# KiCad board SparkFun_GNSS_Flex_Breakout_panelized.kicad_pcb (continued)
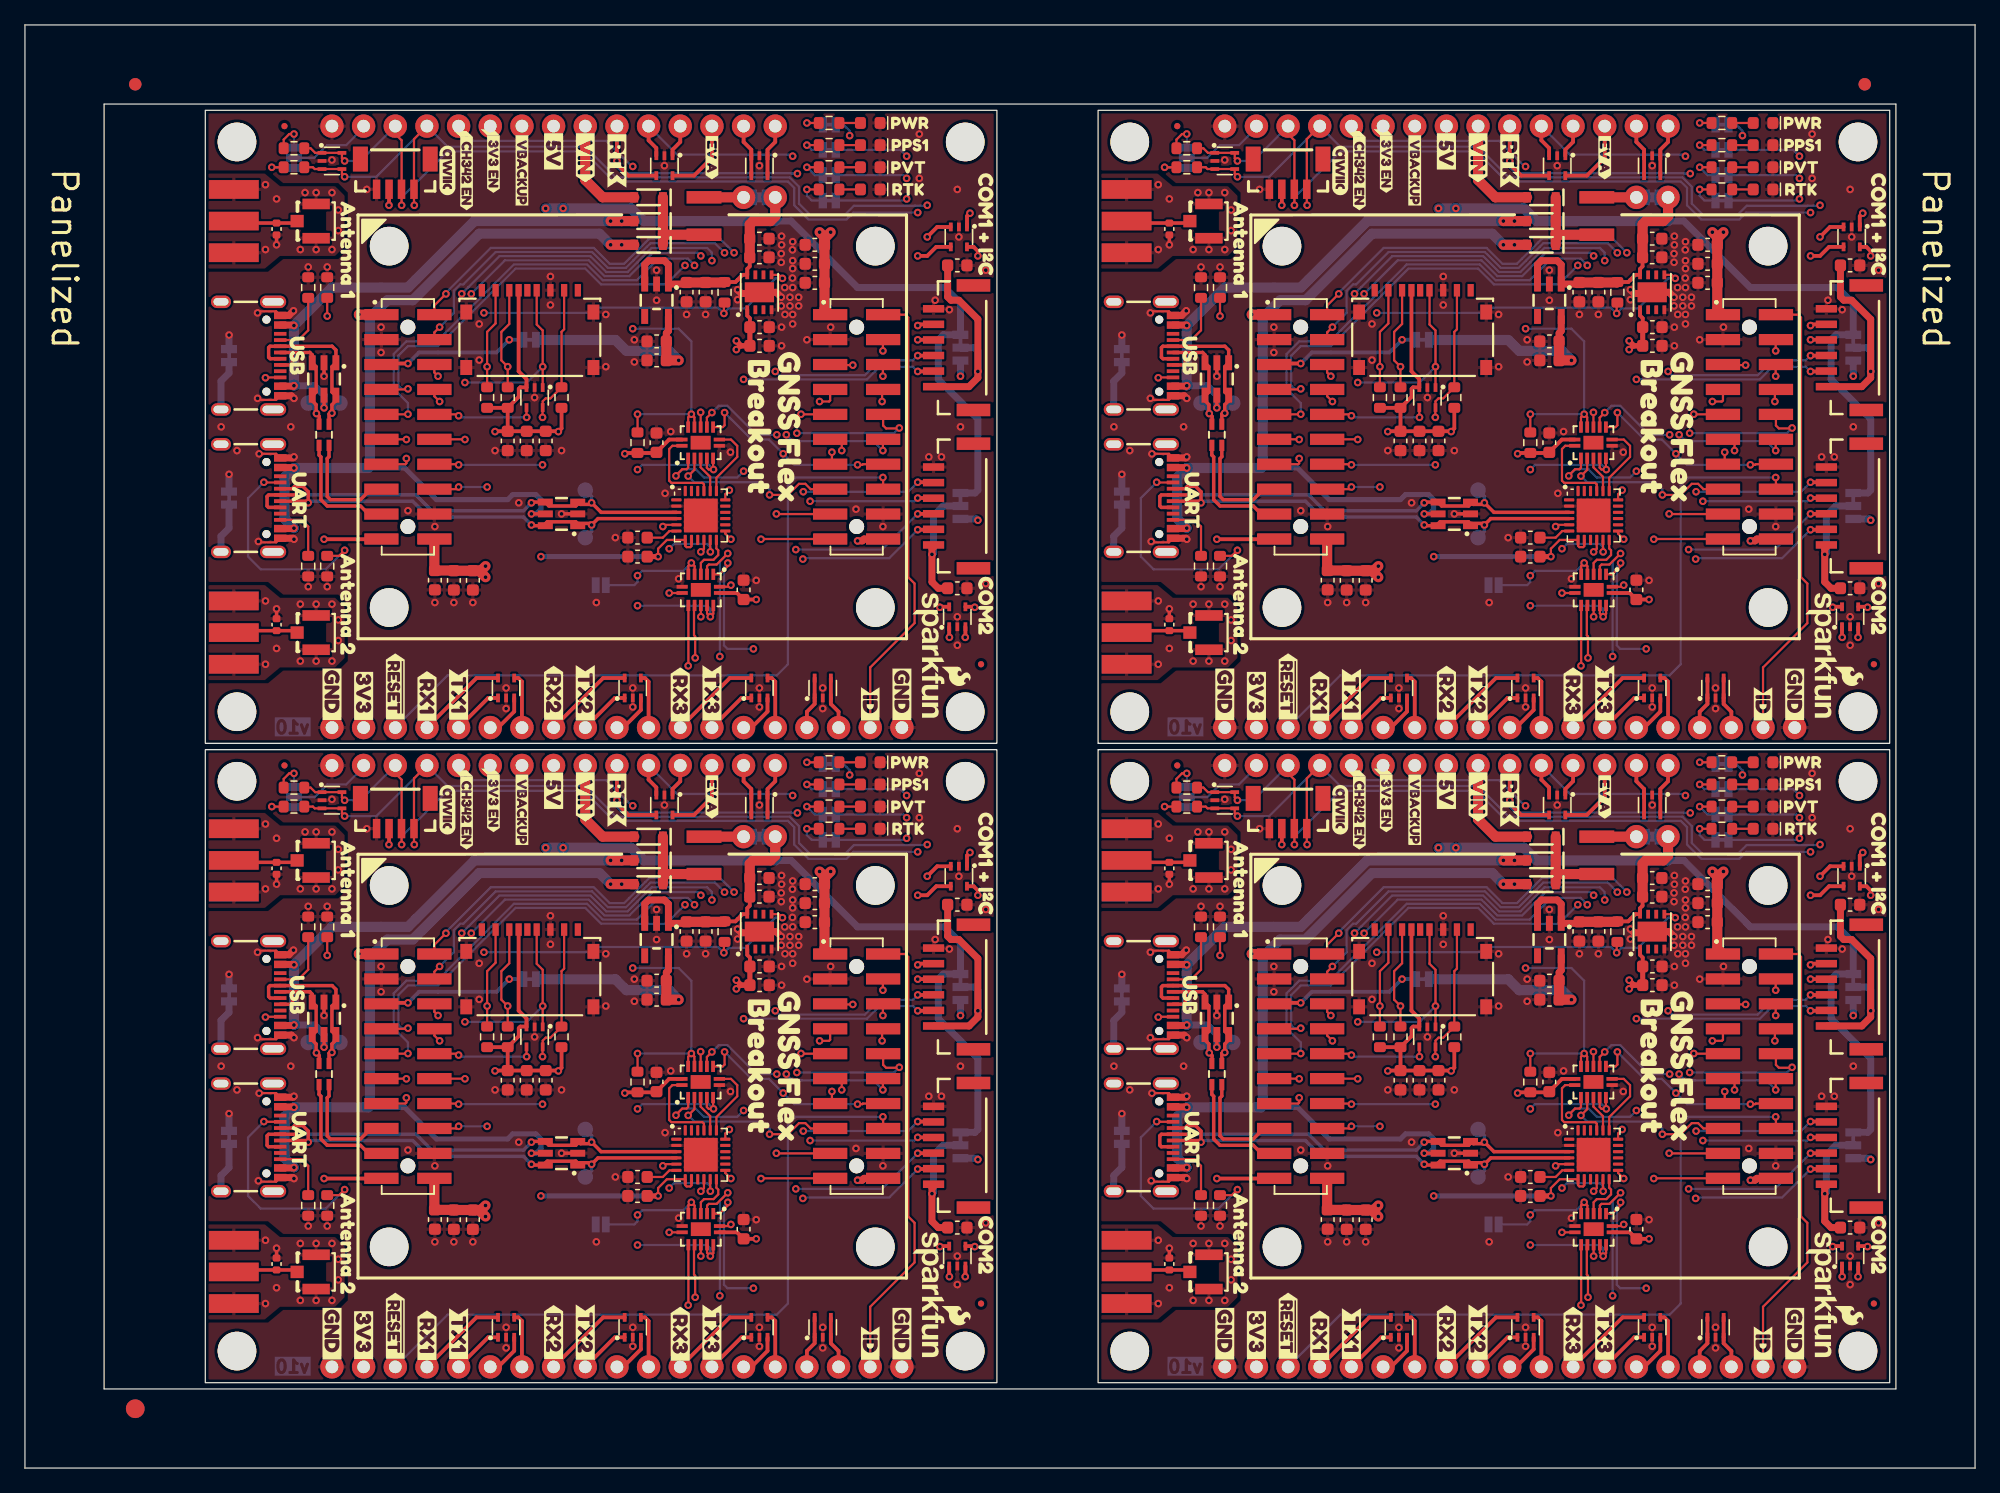
[diagram p0: board, top side]
## Routing (per net, layer and track width the routed paths; a pad name or vN(x,y) marks a point on that pad's centre or on a via; arc(x,y) is an arc through that point) (continued)
  Top w0.305: v1(71.62,88) 72.86,88 ; D13#4.5 107.84,63.39 J4#3.4 ; v1(76.45,97.27) 76.45,97.65 76.1,97.99 D16#2.5 ; v1(148.07,97.27) 148.07,97.65 147.72,97.99 D16.5 ; v1(148.07,45.97) 148.07,46.35 147.72,46.69 D16#3.5 ; v1(143.24,36.7) 144.48,36.7 ; J4#2.4 36.22,63.39 D13#3.5 ; v1(71.62,36.7) 72.86,36.7 ; D13#2.5 107.84,12.09 J4#4.4 ; v1(76.45,45.97) 76.45,46.35 76.1,46.69 D16#4.5 ; v1(143.24,88) 144.48,88 ; D13.5 36.22,12.09 J4.4
  L3.Cu w0.178: v1(57.65,36.06) v1(57.65,28.69) 58.67,28.69 59.05,28.31 v1(59.05,23.23) 59.35,22.93 59.35,16.39 59.04,16.07 40.2,16.07 J4.4 ; J4#3.4 111.82,67.37 130.66,67.37 130.97,67.69 130.97,74.23 v1(130.67,74.53) 130.67,79.61 130.29,79.99 v1(129.27,79.99) v1(129.27,87.36) ; v1(57.65,87.36) v1(57.65,79.99) 58.67,79.99 59.05,79.61 v1(59.05,74.53) 59.35,74.23 59.35,67.69 59.04,67.37 40.2,67.37 J4#2.4 ; v1(129.27,36.06) v1(129.27,28.69) 130.29,28.69 130.67,28.31 v1(130.67,23.23) 130.97,22.93 130.97,16.39 130.66,16.07 111.82,16.07 J4#4.4
  L3.Cu w0.305: v1(76.45,97.27) 76,96.82 76,92.38 v1(71.62,88) ; v1(148.07,97.27) 147.62,96.82 147.62,92.38 v1(143.24,88) ; v1(143.24,36.7) 147.62,41.08 147.62,45.52 v1(148.07,45.97) ; v1(71.62,36.7) 76,41.08 76,45.52 v1(76.45,45.97)
  Bottom w0.178: v1(123.85,79.61) 124.38,80.15 125.43,80.15 126.09,79.49 128.76,79.49 v1(129.27,79.99) ; v1(143.24,36.7) 142.86,37.08 140.19,37.08 139.18,36.06 v1(129.27,36.06) ; v1(57.65,79.99) 57.14,79.49 54.47,79.49 53.81,80.15 52.76,80.15 v1(52.23,79.61) ; v1(71.62,36.7) 71.24,37.08 68.57,37.08 67.56,36.06 v1(57.65,36.06) ; v1(71.62,88) 71.24,88.38 68.57,88.38 67.56,87.36 v1(57.65,87.36) ; v1(129.27,87.36) 139.18,87.36 140.19,88.38 142.86,88.38 v1(143.24,88) ; v1(57.65,28.69) 57.14,28.19 54.47,28.19 53.81,28.85 52.76,28.85 v1(52.23,28.31) ; v1(129.27,28.69) 128.76,28.19 126.09,28.19 125.43,28.85 124.38,28.85 v1(123.85,28.31)
RX2: length 363.4
  Top w0.178: J12#2.12 68.83,82.53 v1(68.83,81.65) ; 72.88,25.27 J5#2.3 ; v1(128.01,21.32) 128.01,21.08 127.34,20.42 U5#3.2 ; 74.15,66.67 v1(74.16,66.66) ; U5#2.2 55.72,20.42 56.39,21.08 v1(56.39,21.32) ; U5.2 127.34,71.72 128.01,72.38 v1(128.01,72.62) ; v1(68.83,30.34) 68.83,31.23 J12.12 ; 144.5,25.27 J5.3 ; v1(140.45,30.34) 140.45,31.23 J12#4.12 ; J12#3.12 140.45,82.53 v1(140.45,81.65) ; 72.88,76.56 J5#3.3 ; U5#4.2 55.72,71.72 56.39,72.38 v1(56.39,72.62) ; 74.15,15.37 v1(74.16,15.36) ; 144.5,76.56 J5#4.3 ; 145.77,15.37 v1(145.78,15.36) ; 145.77,66.67 v1(145.78,66.66)
  Top w0.305: D14#3.1 145.77,66.67 ; D14#4.1 74.15,66.67 ; v1(143.24,76.56) 144.5,76.56 ; D12#4.5 118,63.39 J4#3.8 ; D14.1 145.77,15.37 ; D12#2.5 46.39,12.09 J4.8 ; v1(71.62,76.56) 72.88,76.56 ; D12.5 46.39,63.39 J4#2.8 ; v1(143.24,25.27) 144.5,25.27 ; v1(71.62,25.27) 72.88,25.27 ; D14#2.1 74.15,15.37 ; D12#3.5 118,12.09 J4#4.8
  L3.Cu w0.178: J4#3.8 120.5,65.89 127.82,65.89 127.98,65.73 v1(130.06,65.73) 130.07,65.74 131.15,65.74 133.91,68.5 133.91,72.05 133.46,72.5 v1(133.46,73.7) 133.52,73.7 133.91,74.09 133.91,76.57 133.08,77.39 133.08,79.01 133.43,79.36 133.43,82.19 v1(132.7,82.91) ; v1(61.08,82.91) 61.81,82.19 61.81,79.36 61.46,79.01 61.46,77.39 62.29,76.57 62.29,74.09 61.9,73.7 v1(61.84,73.7) 61.84,72.5 62.29,72.05 62.29,68.5 59.53,65.74 58.45,65.74 v1(58.44,65.73) 56.36,65.73 56.2,65.89 48.88,65.89 J4#2.8 ; v1(132.7,31.62) 133.43,30.89 133.43,28.06 133.08,27.71 133.08,26.09 133.91,25.27 133.91,22.79 133.52,22.4 v1(133.46,22.4) 133.46,21.2 133.91,20.75 133.91,17.2 131.15,14.44 130.07,14.44 v1(130.06,14.43) 127.98,14.43 127.82,14.59 120.5,14.59 J4#4.8 ; J4.8 48.88,14.59 56.2,14.59 56.36,14.43 v1(58.44,14.43) 58.45,14.44 59.53,14.44 62.29,17.2 62.29,20.75 61.84,21.2 v1(61.84,22.4) 61.9,22.4 62.29,22.79 62.29,25.27 61.46,26.09 61.46,27.71 61.81,28.06 61.81,30.89 v1(61.08,31.62)
  L3.Cu w0.305: v1(71.62,25.27) 74.16,22.73 v1(74.16,15.36) ; v1(71.62,76.56) 74.16,74.03 v1(74.16,66.66) ; v1(143.24,25.27) 145.78,22.73 v1(145.78,15.36) ; v1(143.24,76.56) 145.78,74.03 v1(145.78,66.66)
  Bottom w0.178: v1(132.7,82.91) 133.21,82.41 139.68,82.41 v1(140.45,81.65) ; v1(56.39,72.62) 56.08,72.31 56.08,66.01 56.36,65.73 v1(58.44,65.73) ; v1(61.08,82.91) 61.59,82.41 68.06,82.41 v1(68.83,81.65) ; v1(128.01,72.62) 127.7,72.31 127.7,66.01 127.98,65.73 v1(130.06,65.73) ; v1(61.08,31.62) 61.59,31.11 68.06,31.11 v1(68.83,30.34) ; v1(58.44,14.43) 56.36,14.43 56.08,14.71 56.08,21.01 v1(56.39,21.32) ; v1(61.84,73.7) 68.76,73.7 v1(71.62,76.56) ; v1(133.46,22.4) 140.38,22.4 v1(143.24,25.27) ; v1(128.01,21.32) 127.7,21.01 127.7,14.71 127.98,14.43 v1(130.06,14.43) ; v1(143.24,76.56) 140.38,73.7 v1(133.46,73.7) ; v1(140.45,30.34) 139.68,31.11 133.21,31.11 v1(132.7,31.62) ; v1(61.84,22.4) 68.76,22.4 v1(71.62,25.27)
RX3: length 179.9
  Top w0.178: J12#3.8 140.38,86.47 v1(140.38,85.58) ; J12.8 68.76,35.17 v1(68.76,34.28) ; J12#2.8 68.76,86.47 v1(68.76,85.58) ; J12#4.8 140.38,35.17 v1(140.38,34.28)
  Top w0.305: D10#3.5 56.55,12.09 J4.12 ; J4#3.12 128.16,63.39 D10.5 ; J4#4.12 128.16,12.09 D10#4.5 ; J4#2.12 56.55,63.39 D10#2.5
  L3.Cu w0.178: v1(68.76,34.28) 68.76,33.56 68.44,33.24 65.24,33.24 63.13,31.14 63.13,29.14 63.61,28.66 63.61,16.62 59.58,12.59 57.04,12.59 J4.12 ; v1(68.76,85.58) 68.76,84.86 68.44,84.54 65.24,84.54 63.13,82.44 63.13,80.44 63.61,79.96 63.61,67.92 59.58,63.89 57.04,63.89 J4#2.12 ; J4#4.12 128.66,12.59 131.2,12.59 135.23,16.62 135.23,28.66 134.75,29.14 134.75,31.14 136.86,33.24 140.06,33.24 140.38,33.56 v1(140.38,34.28) ; v1(140.38,85.58) 140.38,84.86 140.06,84.54 136.86,84.54 134.75,82.44 134.75,80.44 135.23,79.96 135.23,67.92 131.2,63.89 128.66,63.89 J4#3.12
RX4: length 113.7
  Top w0.178: v1(136.36,81.52) 136.36,80.69 J12#3.13 ; v1(136.36,30.22) 136.36,29.39 J12#4.13 ; J12.13 64.74,29.39 v1(64.74,30.22) ; J12#2.13 64.74,80.69 v1(64.74,81.52)
  Top w0.305: D11#4.5 D11#4.1 63.35,10.01 62.73,9.39 J4.16 ; J4#3.16 134.35,60.69 134.97,61.31 D11#2.1 D11#2.5 ; D11#3.5 D11#3.1 63.35,61.31 62.73,60.69 J4#2.16 ; J4#4.16 134.35,9.39 134.97,10.01 D11.1 D11.5
  L3.Cu w0.178: v1(136.36,81.52) 136.48,81.52 136.56,81.44 136.56,80.24 136.56,67.38 134.35,65.17 J4#3.16 ; v1(136.36,30.22) 136.48,30.22 136.56,30.14 136.56,28.94 136.56,16.08 134.35,13.87 J4#4.16 ; J4#2.16 62.73,65.17 64.94,67.38 64.94,68.2 64.94,80.24 64.94,81.44 64.86,81.52 v1(64.74,81.52) ; J4.16 62.73,13.87 64.94,16.08 64.94,16.9 64.94,28.94 64.94,30.14 64.86,30.22 v1(64.74,30.22)
SCL: length 407.3
  Top w0.178: v1(102.22,81.01) 102.22,80.63 102.14,80.55 J11#3.13 ; v1(102.85,50.03) 102.83,50.05 J14#2.4 102.83,55.34 J3#2.4 ; v1(30.6,29.71) 30.6,29.33 30.52,29.25 J11.13 ; 144.5,39.23 J13#2.4 ; 72.42,47.53 v1(72.38,47.49) ; v1(25.65,103.62) 25.43,103.83 D15#4.4 D15#4.3 23.25,104.24 23.11,104.38 R9#4.1 ; v1(31.23,50.03) 31.21,50.05 J14#4.4 31.21,55.34 J3.4 ; v1(97.27,52.32) 97.05,52.53 D15.4 D15.3 94.87,52.94 94.73,53.08 94.03,53.08 ; v1(102.22,29.71) 102.22,29.33 102.14,29.25 J11#2.13 ; J3#3.4 102.83,106.64 J14.4 102.83,101.35 v1(102.85,101.33) ; 94.03,104.38 94.73,104.38 94.87,104.24 D15#3.3 D15#3.4 97.05,103.83 v1(97.27,103.62) ; J11#4.13 30.52,80.55 30.6,80.63 v1(30.6,81.01) ; 144.5,90.53 J13#4.4 ; 144.04,98.83 v1(144,98.79) ; R9.1 23.11,53.08 23.25,52.94 D15#2.3 D15#2.4 25.43,52.53 v1(25.65,52.32) ; 144.04,47.53 v1(144,47.49) ; 72.88,90.53 J13.4 ; 72.42,98.83 v1(72.38,98.79) ; v1(31.23,101.33) 31.21,101.35 J14#3.4 31.21,106.64 J3#4.4 ; 72.88,39.23 J13#3.4
  Top w0.305: D16#2.3 73.18,99.59 v1(72.38,98.79) ; D16#3.3 144.8,48.29 v1(144,47.49) ; v1(72.38,47.49) 73.18,48.29 D16#4.3 ; v1(143.24,90.53) 144.5,90.53 ; v1(71.62,39.23) 72.88,39.23 ; v1(71.62,90.53) 72.88,90.53 ; v1(144,98.79) 144.8,99.59 D16.3 ; v1(143.24,39.23) 144.5,39.23
  L3.Cu w0.178: v1(72.38,101.33) v1(72.38,98.79) ; v1(102.22,29.71) 104.2,31.69 104.2,47.87 104.2,48.68 v1(102.85,50.03) ; v1(31.23,50.03) 32.58,48.68 32.58,47.87 32.58,31.69 v1(30.6,29.71) ; v1(144,101.33) v1(144,98.79) ; v1(102.22,81.01) 104.2,82.99 104.2,99.17 104.2,99.98 v1(102.85,101.33) ; v1(31.23,101.33) 32.58,99.98 32.58,99.17 32.58,82.99 v1(30.6,81.01) ; v1(72.38,50.03) v1(72.38,47.49) ; v1(144,50.03) v1(144,47.49)
  L3.Cu w0.305: v1(71.62,90.53) 72.38,91.3 v1(72.38,98.79) ; v1(144,98.79) 144,91.3 v1(143.24,90.53) ; v1(143.24,39.23) 144,40 v1(144,47.49) ; v1(72.38,47.49) 72.38,40 v1(71.62,39.23)
  Bottom w0.178: v1(97.27,103.62) 99.81,103.62 J3#3.4 105.52,106.03 116.57,106.03 119.03,103.57 132.96,103.57 133.72,102.81 133.72,101.46 134.6,100.57 137.4,100.57 138.12,101.29 143.01,101.29 143.01,101.29 143.47,101.29 143.47,101.29 143.96,101.29 v1(144,101.33) ; v1(97.27,52.32) 99.81,52.32 J3#2.4 105.52,54.73 116.57,54.73 119.03,52.27 132.96,52.27 133.72,51.51 133.72,50.16 134.6,49.27 137.4,49.27 138.12,49.99 143.01,49.99 143.01,49.99 143.47,49.99 143.47,49.99 143.96,49.99 v1(144,50.03) ; v1(25.65,52.32) 28.19,52.32 J3.4 33.9,54.73 44.95,54.73 47.41,52.27 61.34,52.27 62.09,51.51 62.09,50.16 62.98,49.27 65.78,49.27 66.5,49.99 71.39,49.99 71.39,49.99 71.85,49.99 71.85,49.99 72.34,49.99 v1(72.38,50.03) ; v1(25.65,103.62) 28.19,103.62 J3#4.4 33.9,106.03 44.95,106.03 47.41,103.57 61.34,103.57 62.09,102.81 62.09,101.46 62.98,100.57 65.78,100.57 66.5,101.29 71.39,101.29 71.39,101.29 71.85,101.29 71.85,101.29 72.34,101.29 v1(72.38,101.33)
SD_CLK: length 87.3
  Top w0.178: J11#4.12 35.28,82.55 v1(35.3,82.53) ; D1#3.1 v1(41.54,88.38) 41.54,91.28 41.06,91.76 J1.5 ; D1.1 v1(41.54,37.08) 41.54,39.98 41.06,40.46 J1#4.5 ; J1#3.5 112.68,91.76 113.16,91.28 v1(113.16,88.38) D1#2.1 ; J11#2.12 106.9,31.25 v1(106.92,31.23) ; J1#2.5 112.68,40.46 113.16,39.98 v1(113.16,37.08) D1#4.1 ; J11.12 35.28,31.25 v1(35.3,31.23) ; v1(106.92,82.53) 106.9,82.55 J11#3.12
  L3.Cu w0.178: v1(35.3,82.53) 35.34,82.57 35.34,87.07 v1(35.3,87.11) ; v1(106.92,31.23) 106.96,31.27 106.96,35.77 v1(106.92,35.81) ; v1(35.3,31.23) 35.34,31.27 35.34,35.77 v1(35.3,35.81) ; v1(106.92,82.53) 106.96,82.57 106.96,87.07 v1(106.92,87.11)
  Bottom w0.178: v1(113.16,88.38) 111.89,87.11 v1(106.92,87.11) ; v1(41.54,88.38) 40.27,87.11 v1(35.3,87.11) ; v1(35.3,35.81) 40.27,35.81 v1(41.54,37.08) ; v1(113.16,37.08) 111.89,35.81 v1(106.92,35.81)
SD_CMD: length 85
  Top w0.178: D1.4 40.24,33.03 v1(40.25,33.01) ; J11.10 34.68,33.25 v1(34.79,33.14) ; J11#4.10 34.68,84.55 v1(34.79,84.44) ; v1(111.87,33.01) 111.86,33.03 D1#4.4 ; J11#2.10 106.3,33.25 v1(106.41,33.14) ; 38.86,94.51 38.86,91.81 38.22,91.17 38.22,88.88 v1(38.73,88.38) R2.1 ; D1#3.4 40.24,84.33 v1(40.25,84.31) ; R2#2.1 v1(110.35,37.08) 109.84,37.58 109.84,39.87 110.47,40.51 J1#2.3 ; v1(111.87,84.31) 111.86,84.33 D1#2.4 ; R2#4.1 v1(110.35,88.38) 109.84,88.88 109.84,91.17 110.47,91.81 J1#3.3 ; R2#3.1 v1(38.73,37.08) 38.22,37.58 38.22,39.87 38.86,40.51 38.86,43.21 ; v1(106.41,84.44) 106.3,84.55 J11#3.10
  L3.Cu w0.178: v1(40.25,33.01) 38.73,34.54 v1(38.73,37.08) ; v1(111.87,84.31) 110.35,85.84 v1(110.35,88.38) ; v1(110.35,37.08) 110.35,34.54 v1(111.87,33.01) ; v1(40.25,84.31) 38.73,85.84 v1(38.73,88.38)
  Bottom w0.178: v1(34.79,33.14) 34.92,33.01 v1(40.25,33.01) ; v1(106.41,84.44) 106.54,84.31 v1(111.87,84.31) ; v1(34.79,84.44) 34.92,84.31 v1(40.25,84.31) ; v1(111.87,33.01) 106.54,33.01 v1(106.41,33.14)
SD_DAT0: length 94.6
  Top w0.178: J11#2.14 106.36,29.25 v1(106.41,29.2) ; J11#3.14 106.36,80.55 v1(106.41,80.5) ; v1(41.52,33.01) 41.52,33.78 D1.5 41.54,34.3 41.78,34.54 42.16,34.54 R1#3.1 43.05,39.87 43.25,40.08 J1#4.7 ; v1(34.79,29.2) 34.74,29.25 J11.14 ; v1(41.52,84.31) 41.52,85.09 D1#3.5 41.54,85.6 41.78,85.84 42.16,85.84 R1#2.1 43.05,91.17 43.25,91.38 J1.7 ; J1#2.7 114.88,40.08 114.66,39.87 R1#4.1 113.78,34.54 113.4,34.54 113.16,34.3 D1#4.5 113.14,33.78 v1(113.14,33.01) ; J1#3.7 114.88,91.38 114.66,91.17 R1.1 113.78,85.84 113.4,85.84 113.16,85.6 D1#2.5 113.14,85.09 v1(113.14,84.31) ; v1(34.79,80.5) 34.74,80.55 J11#4.14
  L3.Cu w0.178: v1(113.14,80.5) v1(113.14,84.31) ; v1(41.52,29.2) v1(41.52,33.01) ; v1(113.14,29.2) v1(113.14,33.01) ; v1(41.52,80.5) v1(41.52,84.31)
  Bottom w0.178: v1(106.41,80.5) v1(113.14,80.5) ; v1(34.79,80.5) v1(41.52,80.5) ; v1(106.41,29.2) v1(113.14,29.2) ; v1(34.79,29.2) v1(41.52,29.2)
SD_DAT3: length 89.1
  Top w0.178: J1#2.2 109.38,40.55 108.7,39.87 v1(108.7,37.08) R4#4.1 ; v1(106.41,27.42) 106.24,27.25 J11#2.16 ; v1(34.79,78.72) 34.62,78.55 J11#4.16 ; v1(34.79,27.42) 34.62,27.25 J11.16 ; J1#4.2 37.75,40.55 37.08,39.87 v1(37.08,37.08) R4.1 ; R4#3.1 v1(108.7,88.38) 108.7,91.17 109.38,91.85 J1#3.2 ; J11#3.16 106.24,78.55 v1(106.41,78.72) ; J1.2 37.75,91.85 37.08,91.17 v1(37.08,88.38) R4#2.1
  L3.Cu w0.178: v1(108.7,27.42) v1(108.7,37.08) ; v1(37.08,78.72) v1(37.08,88.38) ; v1(37.08,27.42) v1(37.08,37.08) ; v1(108.7,78.72) v1(108.7,88.38)
  Bottom w0.178: v1(34.79,27.42) 37.2,27.42 v1(37.08,27.42) ; v1(108.7,27.42) 108.82,27.42 v1(106.41,27.42) ; v1(37.08,78.72) 37.2,78.72 v1(34.79,78.72) ; v1(106.41,78.72) 108.82,78.72 v1(108.7,78.72)
SDA: length 393.2
  Top w0.178: J3#4.3 29.71,107.05 30.22,106.54 30.22,102.62 J14#3.3 30.22,102.61 v1(30.22,101.33) ; v1(30.22,50.03) 30.22,51.31 J14#4.3 30.22,51.32 30.22,55.24 29.71,55.75 J3.3 ; v1(101.84,50.03) 101.84,51.31 J14#2.3 101.84,51.32 101.84,55.24 101.33,55.75 J3#2.3 ; R8#3.2 22.92,54.6 23.28,54.24 D15#2.1 D15#2.5 25.43,53.8 v1(25.65,53.59) ; J11#2.11 102.2,31.25 v1(102.22,31.23) ; v1(97.27,104.89) 97.05,105.1 D15#3.5 D15#3.1 94.9,105.54 94.54,105.9 94.03,105.9 ; J11#3.11 102.2,82.55 v1(102.22,82.53) ; v1(30.6,82.53) 30.58,82.55 J11#4.11 ; v1(25.65,104.89) 25.43,105.1 D15#4.5 D15#4.1 23.28,105.54 22.92,105.9 R8#4.2 ; 143.28,97.23 v1(143.24,97.27) ; 143.28,45.93 v1(143.24,45.97) ; J3#3.3 101.33,107.05 101.84,106.54 101.84,102.62 J14.3 101.84,102.61 v1(101.84,101.33) ; J11.11 30.58,31.25 v1(30.6,31.23) ; v1(97.27,53.59) 97.05,53.8 D15.5 D15.1 94.9,54.24 94.54,54.6 94.03,54.6 ; 71.66,97.23 v1(71.62,97.27) ; 71.66,45.93 v1(71.62,45.97)
  Top w0.305: D16#3.4 144.73,46.69 144,45.97 v1(143.24,45.97) ; v1(71.62,40.38) 71.72,40.48 J13#3.5 ; v1(143.24,40.38) 143.34,40.48 J13#2.5 ; v1(71.62,91.68) 71.72,91.78 J13.5 ; v1(143.24,91.68) 143.34,91.78 J13#4.5 ; v1(143.24,97.27) 144,97.27 144.73,97.99 D16.4 ; D16#2.4 73.11,97.99 72.38,97.27 v1(71.62,97.27) ; D16#4.4 73.11,46.69 72.38,45.97 v1(71.62,45.97)
  L3.Cu w0.178: v1(71.62,97.27) v1(71.62,100.74) ; v1(30.6,31.23) 32.25,32.89 32.25,48 v1(30.22,50.03) ; v1(71.62,45.97) v1(71.62,49.44) ; v1(101.84,50.03) 103.87,48 103.87,32.89 v1(102.22,31.23) ; v1(102.22,82.53) 103.87,84.19 103.87,99.3 v1(101.84,101.33) ; v1(143.24,97.27) v1(143.24,100.74) ; v1(143.24,45.97) v1(143.24,49.44) ; v1(30.6,82.53) 32.25,84.19 32.25,99.3 v1(30.22,101.33)
  L3.Cu w0.305: v1(143.24,91.68) v1(143.24,97.27) ; v1(71.62,91.68) v1(71.62,97.27) ; v1(143.24,40.38) v1(143.24,45.97) ; v1(71.62,40.38) v1(71.62,45.97)
  Bottom w0.178: v1(71.62,100.74) 66.46,100.74 65.91,100.19 62.86,100.19 61.71,101.33 61.71,102.73 61.21,103.23 47.24,103.23 44.82,105.65 33.9,105.65 30.22,101.97 v1(30.22,101.33) ; v1(101.84,50.03) 101.84,50.67 105.52,54.35 116.44,54.35 118.86,51.94 132.83,51.94 133.33,51.43 133.33,50.03 134.48,48.89 137.53,48.89 138.08,49.44 v1(143.24,49.44) ; v1(25.65,53.59) 26.92,53.59 J3.3 ; v1(30.22,50.03) 30.22,50.67 33.9,54.35 44.82,54.35 47.24,51.94 61.21,51.94 61.71,51.43 61.71,50.03 62.86,48.89 65.91,48.89 66.46,49.44 v1(71.62,49.44) ; v1(101.84,101.33) 101.84,101.97 105.52,105.65 116.44,105.65 118.86,103.23 132.83,103.23 133.33,102.73 133.33,101.33 134.48,100.19 137.53,100.19 138.08,100.74 v1(143.24,100.74) ; J3#3.3 98.54,104.89 v1(97.27,104.89) ; v1(25.65,104.89) 26.92,104.89 J3#4.3 ; v1(97.27,53.59) 98.54,53.59 J3#2.3
TX1: length 384.6
  Top w0.178: U3#3.3 53.71,28.8 v1(53.21,28.3) ; v1(124.83,79.6) 125.33,80.1 U3.3 ; J12#2.15 63.03,78.55 62.6,78.98 62.09,78.98 61.21,78.09 v1(59.73,78.09) ; v1(124.83,28.3) 125.33,28.8 U3#2.3 ; v1(131.35,78.09) 132.83,78.09 133.72,78.98 134.22,78.98 134.65,78.55 J12#3.15 ; v1(59.73,26.79) 61.21,26.79 62.09,27.68 62.6,27.68 63.03,27.25 J12.15 ; 144.5,37.97 J13#2.3 ; U3#4.3 53.71,80.1 v1(53.21,79.6) ; J12#4.15 134.65,27.25 134.22,27.68 133.72,27.68 132.83,26.79 v1(131.35,26.79) ; 72.88,89.27 J13.3 ; 72.88,37.97 J13#3.3 ; 144.5,89.27 J13#4.3
  Top w0.305: v1(75.81,49.39) 75.57,49.16 D16#4.1 ; J4#2.5 37.16,61.8 D13#3.1 ; v1(71.62,37.97) 72.88,37.97 ; v1(147.43,100.7) 147.19,100.46 D16.1 ; J4#3.5 108.78,61.8 D13#4.1 ; J4.5 37.16,10.5 D13.1 ; D16#3.1 147.19,49.16 v1(147.43,49.39) ; D16#2.1 75.57,100.46 v1(75.81,100.7) ; v1(143.24,37.97) 144.5,37.97 ; J4#4.5 108.78,10.5 D13#2.1 ; v1(71.62,89.27) 72.88,89.27 ; v1(143.24,89.27) 144.5,89.27
  L3.Cu w0.178: J4#4.5 106.41,9.45 112.7,15.74 130.79,15.74 131.3,16.25 131.3,26.74 v1(131.35,26.79) 131.35,36.24 v1(131.81,36.7) ; v1(131.81,88) 131.35,87.54 v1(131.35,78.09) 131.3,78.04 131.3,67.55 130.79,67.04 112.7,67.04 106.41,60.75 J4#3.5 ; v1(60.19,88) 59.73,87.54 v1(59.73,78.09) 59.68,78.04 59.68,67.55 59.17,67.04 41.08,67.04 34.79,60.75 J4#2.5 ; J4.5 34.79,9.45 41.08,15.74 59.17,15.74 59.68,16.25 59.68,26.74 v1(59.73,26.79) 59.73,36.24 v1(60.19,36.7)
  L3.Cu w0.305: v1(147.43,100.7) 147.43,98.54 147.01,98.12 147.01,93.04 v1(143.24,89.27) ; v1(75.81,49.39) 75.81,47.24 75.39,46.82 75.39,41.74 v1(71.62,37.97) ; v1(143.24,37.97) 147.01,41.74 147.01,46.82 147.43,47.24 v1(147.43,49.39) ; v1(75.81,100.7) 75.81,98.54 75.39,98.12 75.39,93.04 v1(71.62,89.27)
  Bottom w0.178: v1(131.81,88) 132.11,87.69 139,87.69 140.19,88.88 142.86,88.88 v1(143.24,89.27) ; v1(143.24,37.97) 142.86,37.58 140.19,37.58 139,36.39 132.11,36.39 v1(131.81,36.7) ; v1(131.35,26.79) 131.35,27.25 130.79,27.81 125.32,27.81 v1(124.83,28.3) ; v1(131.35,78.09) 131.35,78.55 130.79,79.11 125.32,79.11 v1(124.83,79.6) ; v1(71.62,37.97) 71.24,37.58 68.57,37.58 67.38,36.39 60.49,36.39 v1(60.19,36.7) ; v1(53.21,28.3) 53.7,27.81 59.17,27.81 59.73,27.25 v1(59.73,26.79) ; v1(71.62,89.27) 71.24,88.88 68.57,88.88 67.38,87.69 60.49,87.69 v1(60.19,88) ; v1(59.73,78.09) 59.73,78.55 59.17,79.11 53.7,79.11 v1(53.21,79.6)
TX2: length 333.8
  Top w0.178: 144.48,75.3 J5#4.2 ; 73.44,17.81 v1(73.4,17.77) ; 145.06,17.81 v1(145.02,17.77) ; v1(141.76,83.46) 141.73,83.42 140.7,83.42 140.47,83.66 J12#3.10 ; v1(70.14,83.46) 70.11,83.42 69.08,83.42 68.84,83.66 J12#2.10 ; 72.86,24 J5#2.2 ; v1(56.38,73.39) 55.49,72.5 54.86,72.5 54.72,72.37 U5#4.3 ; v1(70.14,32.16) 70.11,32.12 69.08,32.12 68.84,32.36 J12.10 ; v1(128,73.39) 127.11,72.5 126.48,72.5 126.34,72.37 U5.3 ; v1(141.76,32.16) 141.73,32.12 140.7,32.12 140.47,32.36 J12#4.10 ; U5#3.3 126.34,21.07 126.48,21.2 127.11,21.2 v1(128,22.09) ; U5#2.3 54.72,21.07 54.86,21.2 55.49,21.2 v1(56.38,22.09) ; 73.44,69.11 v1(73.4,69.07) ; 144.48,24 J5.2 ; 145.06,69.11 v1(145.02,69.07) ; 72.86,75.3 J5#3.2
  Top w0.305: J4.9 47.33,10.5 D12#2.1 ; D14#3.5 145.06,69.11 ; v1(71.62,75.3) 72.86,75.3 ; v1(143.24,24) 144.48,24 ; J4#3.9 118.94,61.8 D12#4.1 ; D14#2.5 73.44,17.81 ; D12#3.1 118.94,10.5 J4#4.9 ; D14.5 145.06,17.81 ; v1(143.24,75.3) 144.48,75.3 ; D14#4.5 73.44,69.11 ; D12.1 47.33,61.8 J4#2.9 ; v1(71.62,24) 72.86,24
  L3.Cu w0.178: v1(133.54,83.04) 133.76,82.83 133.76,79.11 133.51,78.86 133.51,77.43 134.24,76.7 134.24,73.15 134.03,72.94 v1(134.03,72.94) 134.24,72.73 134.24,68.37 130.78,64.91 128.48,64.91 128.48,64.91 128.03,64.91 128.03,64.91 127.97,64.91 127.76,65.12 v1(127.37,65.12) 126.23,65.12 125.8,65.56 121.31,65.56 116.57,60.82 J4#3.9 ; J4#4.9 116.57,9.52 121.31,14.26 125.8,14.26 126.23,13.82 v1(127.37,13.82) 127.76,13.82 127.97,13.61 128.03,13.61 128.03,13.61 128.48,13.61 128.48,13.61 130.78,13.61 134.24,17.07 134.24,21.43 v1(134.03,21.64) 134.03,21.64 134.24,21.85 134.24,25.4 133.51,26.13 133.51,27.56 133.76,27.81 133.76,31.53 v1(133.54,31.74) ; J4#2.9 44.95,60.82 49.69,65.56 54.18,65.56 54.61,65.12 v1(55.75,65.12) 56.14,65.12 56.35,64.91 56.41,64.91 56.41,64.91 56.86,64.91 56.86,64.91 59.16,64.91 62.62,68.37 62.62,72.73 v1(62.41,72.94) 62.41,72.94 62.62,73.15 62.62,76.7 61.89,77.43 61.89,78.86 62.14,79.11 62.14,82.83 v1(61.92,83.04) ; v1(61.92,31.74) 62.14,31.53 62.14,27.81 61.89,27.56 61.89,26.13 62.62,25.4 62.62,21.85 62.41,21.64 v1(62.41,21.64) 62.62,21.43 62.62,17.07 59.16,13.61 56.86,13.61 56.86,13.61 56.41,13.61 56.41,13.61 56.35,13.61 56.14,13.82 v1(55.75,13.82) 54.61,13.82 54.18,14.26 49.69,14.26 44.95,9.52 J4.9
  L3.Cu w0.305: v1(73.4,17.77) 73.4,22.34 71.75,24 v1(71.62,24) ; v1(73.4,69.07) 73.4,73.64 71.75,75.3 v1(71.62,75.3) ; v1(143.24,24) 143.37,24 145.02,22.34 v1(145.02,17.77) ; v1(143.24,75.3) 143.37,75.3 145.02,73.64 v1(145.02,69.07)
  Bottom w0.178: v1(141.76,83.46) 141.35,83.04 v1(133.54,83.04) ; v1(61.92,31.74) 69.73,31.74 v1(70.14,32.16) ; v1(62.41,21.64) 62.47,21.71 69.33,21.71 v1(71.62,24) ; v1(55.75,13.82) 55.75,21.45 v1(56.38,22.09) ; v1(61.92,83.04) 69.73,83.04 v1(70.14,83.46) ; v1(133.54,31.74) 141.35,31.74 v1(141.76,32.16) ; v1(143.24,24) 140.95,21.71 134.09,21.71 v1(134.03,21.64) ; v1(127.37,13.82) 127.37,21.45 v1(128,22.09) ; v1(143.24,75.3) 140.95,73.01 134.09,73.01 v1(134.03,72.94) ; v1(127.37,65.12) 127.37,72.75 v1(128,73.39) ; v1(71.62,75.3) 69.33,73.01 62.47,73.01 v1(62.41,72.94) ; v1(56.38,73.39) 55.75,72.75 v1(55.75,65.12)
TX3: length 173.8
  Top w0.178: v1(140.45,87.61) 140.45,88.53 J12#3.6 ; v1(68.83,87.61) 68.83,88.53 J12#2.6 ; v1(140.45,36.31) 140.45,37.23 J12#4.6 ; v1(68.83,36.31) 68.83,37.23 J12.6
  Top w0.305: D10#2.1 57.49,61.8 J4#2.13 ; J4#4.13 129.11,10.5 D10#4.1 ; D10#3.1 57.49,10.5 J4.13 ; J4#3.13 129.11,61.8 D10.1
  L3.Cu w0.178: J4#4.13 126.73,10.15 128.84,12.26 131.34,12.26 135.57,16.49 135.57,28.8 135.08,29.28 135.08,31 137,32.91 140.81,32.91 140.93,33.03 140.93,34.05 140.93,34.06 140.93,34.51 140.93,34.51 140.93,35.3 140.45,35.78 v1(140.45,36.31) ; J4#2.13 55.11,61.45 57.22,63.56 59.72,63.56 63.95,67.79 63.95,80.1 63.46,80.58 63.46,82.3 65.38,84.21 69.19,84.21 69.31,84.33 69.31,85.35 69.31,85.36 69.31,85.81 69.31,85.81 69.31,86.6 68.83,87.08 v1(68.83,87.61) ; v1(140.45,87.61) 140.45,87.08 140.93,86.6 140.93,85.81 140.93,85.81 140.93,85.36 140.93,85.35 140.93,84.33 140.81,84.21 137,84.21 135.08,82.3 135.08,80.58 135.57,80.1 135.57,67.79 131.34,63.56 128.84,63.56 126.73,61.45 J4#3.13 ; J4.13 55.11,10.15 57.22,12.26 59.72,12.26 63.95,16.49 63.95,28.8 63.46,29.28 63.46,31 65.38,32.91 69.19,32.91 69.31,33.03 69.31,34.05 69.31,34.06 69.31,34.51 69.31,34.51 69.31,35.3 68.83,35.78 v1(68.83,36.31)
TX4: length 112.8
  Top w0.178: v1(137.14,81.65) 137.14,82.23 136.82,82.55 J12#3.11 ; J12.11 65.2,31.25 65.52,30.93 v1(65.52,30.34) ; J12#2.11 65.2,82.55 65.52,82.23 v1(65.52,81.65) ; v1(137.14,30.34) 137.14,30.93 136.82,31.25 J12#4.11
  Top w0.305: J4#3.17 136.89,60.69 136.27,61.31 D11#2.3 D11#2.4 ; D11#3.4 D11#3.3 64.65,61.31 65.27,60.69 J4#2.17 ; J4#4.17 136.89,9.39 136.27,10.01 D11.3 D11.4 ; J4.17 65.27,9.39 64.65,10.01 D11#4.3 D11#4.4
  L3.Cu w0.178: J4#3.17 136.89,81.39 v1(137.14,81.65) ; J4#2.17 65.27,81.39 v1(65.52,81.65) ; v1(137.14,30.34) 136.89,30.09 J4#4.17 ; v1(65.52,30.34) 65.27,30.09 J4.17
USB1_D+: length 39
  Top w0.278: TR2#3.4 23.59,29.98 23.74,29.84 23.74,26.41 24.25,25.9 26.92,25.9 27.57,25.25 J11.17 ; J11#3.17 99.19,76.55 98.54,77.2 95.87,77.2 95.36,77.71 95.36,81.14 95.22,81.28 95.22,82.06 ; J11#4.17 27.57,76.55 26.92,77.2 24.25,77.2 23.74,77.71 23.74,81.14 23.59,81.28 23.59,82.06 ; J11#2.17 99.19,25.25 98.54,25.9 95.87,25.9 95.36,26.41 95.36,29.84 95.22,29.98 TR2#4.4
USB1_D-: length 35.9
  Top w0.278: J11.15 27.76,27.25 26.92,26.41 24.5,26.41 24.25,26.66 24.25,29.71 24.4,29.86 TR2#3.2 ; TR2#4.2 96.02,29.86 95.87,29.71 95.87,26.66 96.12,26.41 98.54,26.41 99.38,27.25 J11#2.15 ; 96.02,82.06 96.02,81.16 95.87,81.01 95.87,77.96 96.12,77.71 98.54,77.71 99.38,78.55 J11#3.15 ; J11#4.15 27.76,78.55 26.92,77.71 24.5,77.71 24.25,77.96 24.25,81.01 24.4,81.16 24.4,82.06
USB2_D+: length 150.8
  Top w0.278: U2.3 46.22,25.39 v1(45.46,26.15) 45.33,26.03 44.57,26.03 44.38,26.22 D17.3 44.35,26.06 44.19,25.9 42.03,25.9 41.74,26.18 D17.4 40.69,26.22 v1(40.63,26.15) ; v1(40.63,77.45) 40.69,77.52 41.74,77.52 41.74,77.48 42.03,77.2 44.19,77.2 44.35,77.36 44.35,77.52 44.38,77.52 44.57,77.33 45.33,77.33 v1(45.46,77.45) 46.22,76.69 U2#4.3 ; v1(112.25,77.45) 112.31,77.52 113.36,77.52 113.36,77.48 113.65,77.2 115.81,77.2 115.97,77.36 115.97,77.52 116,77.52 116.19,77.33 116.95,77.33 v1(117.08,77.45) 117.84,76.69 U2#3.3 ; v1(93.58,78.18) 93.49,78.09 J7#4.A6 91.17,78.09 91.04,77.96 91.04,77.2 91.16,77.09 J7#4.B6 ; v1(112.25,26.15) 112.31,26.22 D17#3.4 113.36,26.18 113.65,25.9 115.81,25.9 115.97,26.06 D17#3.3 116,26.22 116.19,26.03 116.95,26.03 v1(117.08,26.15) 117.84,25.39 U2#2.3 ; J7#2.B6 19.54,25.78 19.42,25.9 19.42,26.66 19.55,26.78 J7#2.A6 21.87,26.78 v1(21.96,26.88) ; J7.B6 19.54,77.09 19.42,77.2 19.42,77.96 19.55,78.09 J7.A6 21.87,78.09 v1(21.96,78.18) ; J7#3.B6 91.16,25.78 91.04,25.9 91.04,26.66 91.17,26.78 J7#3.A6 93.49,26.78 v1(93.58,26.88)
  Bottom w0.278: v1(117.08,26.15) 117.08,26.66 TP9.1 ; v1(112.25,77.45) 111.62,76.82 104.25,76.82 102.98,78.09 93.68,78.09 v1(93.58,78.18) ; TP9#4.1 45.46,26.66 v1(45.46,26.15) ; TP9#2.1 45.46,77.96 v1(45.46,77.45) ; v1(40.63,26.15) 40,25.52 32.63,25.52 31.36,26.79 22.06,26.79 v1(21.96,26.88) ; v1(21.96,78.18) 22.06,78.09 31.36,78.09 32.63,76.82 40,76.82 v1(40.63,77.45) ; v1(93.58,26.88) 93.68,26.79 102.98,26.79 104.25,25.52 111.62,25.52 v1(112.25,26.15) ; v1(117.08,77.45) 117.08,77.96 TP9#3.1
